# Altium PCB DL4-1BA.PcbDoc (part 3 of 5) (continued)
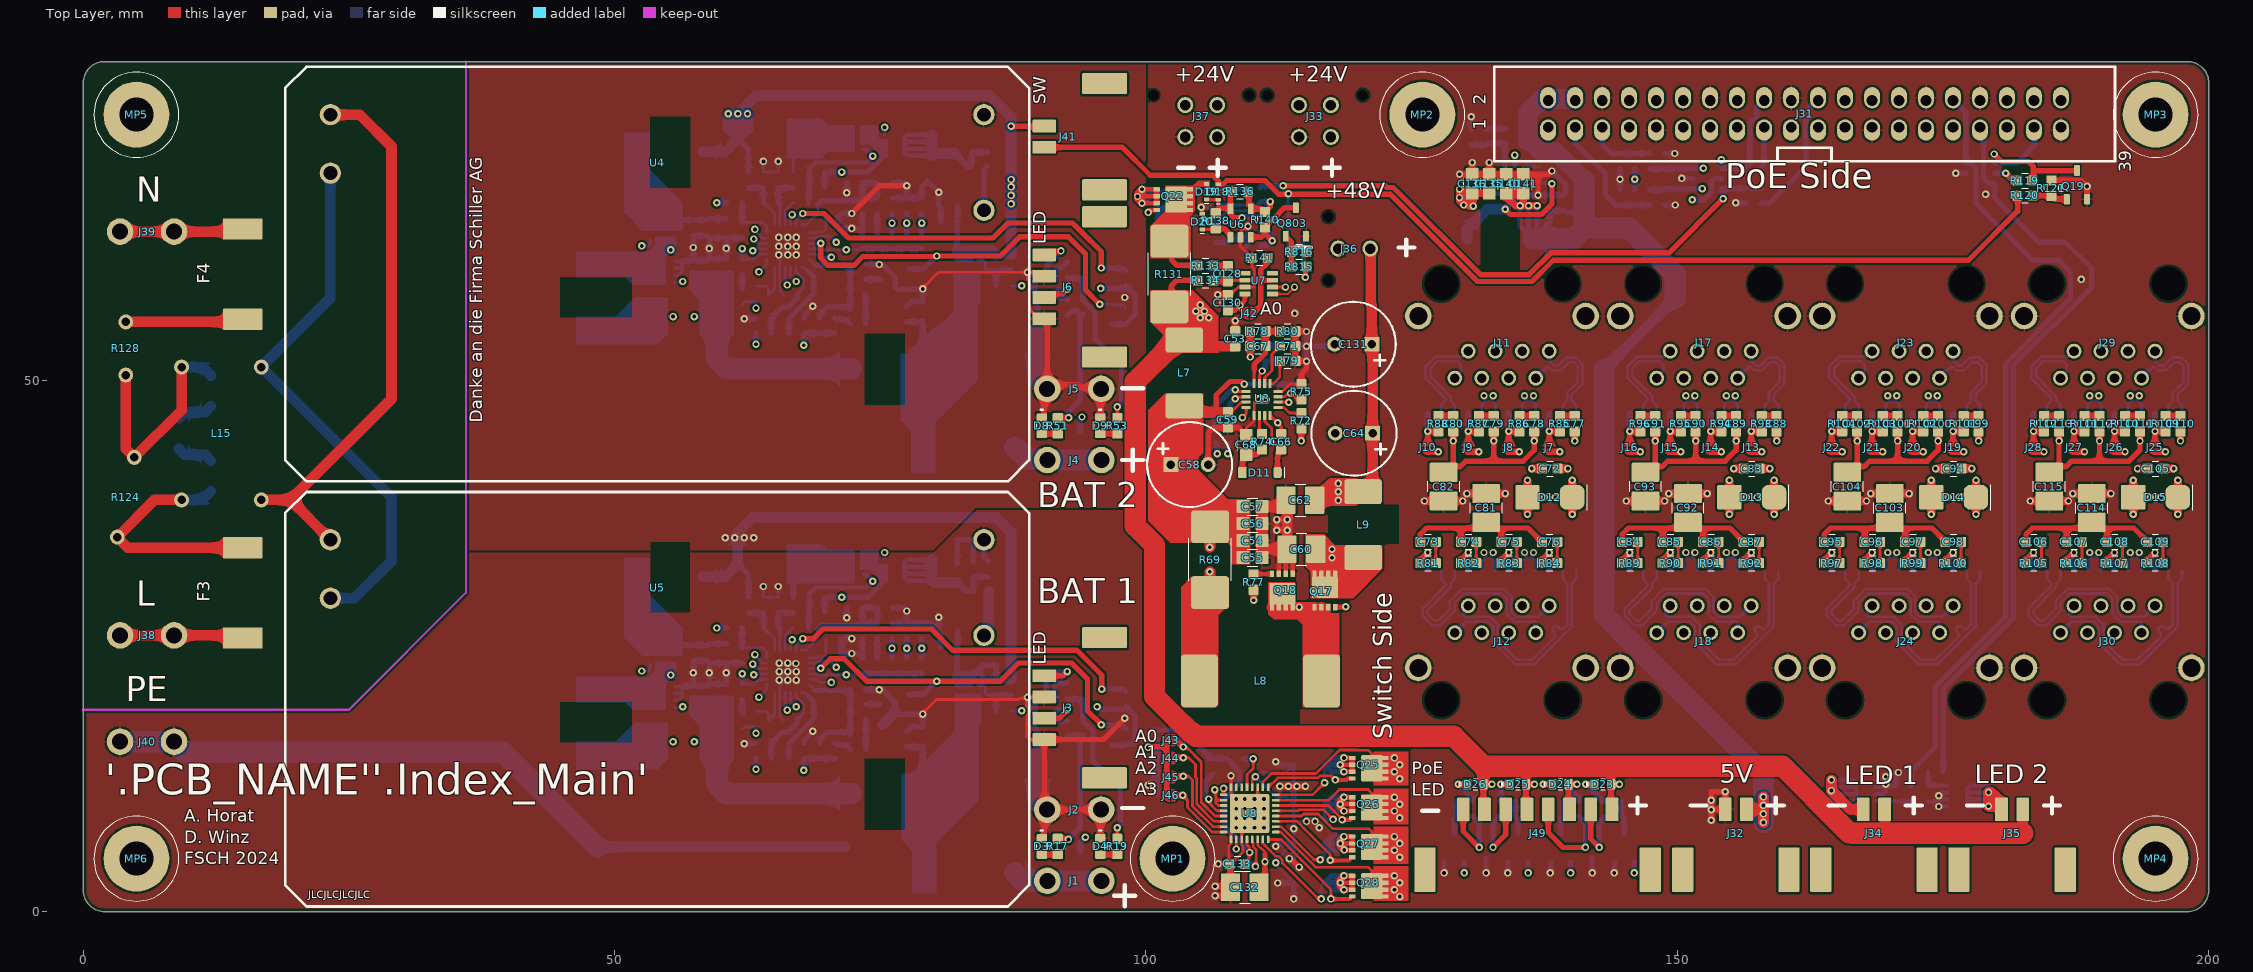
[diagram p0: Top Layer view]
## Nets (pads, with @x,y where several pads share a name; then routed paths per layer and width w, separated by ;. In a path a pad name is that pad's centre, name@x,y a point inside that pad or via, vN(x,y) a via of type N, cw(c..) or ccw(c..) an arc to the next point about the centre after c; other vN are vias at no path point) (continued)
  Mid 1 (GND) w2: J40.1@3.46,16 J40.1@8.54,16 21.9,16 33.4,4.5 85.6,4.5 J2.1@90.7,9.6 J2.1@95.78,9.6
  Mid 2 (PWR) w0.7: v1(109.3,7.9) v1(109.3,8.8) v1(109.3,9.7) v1(109.3,10.6)
  Bottom Layer w0.25: v1(63.999,30.6) C8.2@64,29.577 C10.2@65.4,29.577 v1(65.399,30.6) ; C20.1@65.924,18 65.55,18.374 U1.17@65.55,20.627 65.55,21.877 U1.EP@66.3,22.627 ; v1(105.2,66.3) 105.275,66.225 Q24.2@106.6,66.225 106.875,66.5 109.275,66.5 R142.2@109.3,66.525 ; J48.2@112.85,10.8 113.225,10.8 R148.2@113.9,10.125 v1(113.9,7.8) R149.2@113.9,6.425 ; J47.2@112.85,13.1 113.175,13.1 R146.2@113.9,13.825 113.9,11.8 113.9,11.5 113.9,11.3 ; J50.2@112.977,5.577 R149.2@113.1,5.7 ; J51.2@113,3.6 113.025,3.6 R155.2@113.9,2.725 ; R149.2@113.066,5.7 R149.2@113.1,5.7 ; R149.2@113.825,6.425 R149.2@113.1,5.7 ; 113.9,8.7 114.1,8.5 v1(115.1,8.5)
  Bottom Layer w0.3: Q7.S@55.66,19.902 56.002,19.902 56.4,20.3 56.4,20.552 ; Q7.S@55.66,20.552 56.4,20.552 ; Q7.S@55.66,21.202 56.4,21.202 ; 56.4,21.252 56.4,21.202 ; 56.4,20.552 56.4,21.202
  Bottom Layer w0.4: Q20.S@168.66,11.075 169.375,11.075 169.6,11.3 v1@169.6,11.9 ; Q20.S@168.66,11.725 169.425,11.725 v1@169.6,11.9 ; Q20.S@168.66,12.375 v1@169.6,12.375 ; C122.2@173.6,10.375 174.412,10.375 v1@174.598,10.562 ; Q21.S@175.4,9.925 174.625,9.925 v1(174.6,9.9) v1@174.6,10.575 ; Q21.S@175.4,10.575 v1@174.6,10.575 ; Q21.S@175.4,11.225 174.925,11.225 v1(174.6,10.9) v1@174.6,10.575 ; v1@169.6,11.9 v1(169.6,12) ; v1@169.6,11.9 v1(169.6,12) ; v1(169.6,12) v1@169.6,12.375 ; v1(169.6,12) 169.775,11.825 C121.2@170.6,11.825 170.6,12.9 v1(170.8,13.1) 170,13.1 v1(169.6,12.7) v1@169.6,12.375
  Bottom Layer w0.5: 56.4,21.252 C16.2@57.4,21.252 ; C5.2@58.9,23.427 58.725,23.602 C7.2@57.4,23.602 v1(57.4,22.5) C16.2@57.4,21.252 ; C11.1@62,23.402 C6.2@60.5,23.402 ; v1(62.2,15.8) 62.227,15.827 C23.2@63.25,15.827 ; C24.2@67.85,15.827 67.85,16.175 v1(68.65,16.975) ; v1(71.85,27.65) C25.2@71.85,28.6 ; v1(72.299,25.7) C22.2@71.324,25.7 C21.2@71.324,24.3 v1(72.3,24.3) 72.852,24.3 C26.2@73.3,23.852 R26.2@73.3,25.702 ; R28.2@73.624,20.9 v1(74.899,20.9) 75.199,20.9 76.399,19.7 76.399,18.8 76.622,18.577 Q8.2@77.65,18.577 78.977,18.577 v1(79,18.6) C17.2@79,17.427 77.95,17.427 C18.2@77.5,16.977 ; R32.2@76.099,27.152 R33.2@77.474,27.152 ; R27.2@76.15,28.6 77.2,28.6 v1(77.5,28.3) ; R33.2@77.499,27.177 v1(77.5,28.3) ; R33.2@77.524,27.152 R34.2@78.899,27.152 79.775,27.152 C1.2@80.5,26.427 ; v1(80.5,27.7) C1.2@80.5,26.427 ; C2.2@80.675,24.927 80.675,26.252 C1.2@80.5,26.427 ; C125.2@82.248,32.775 82.248,35.001 83.743,35.001 R130.2@83.743,32.955 ; U5.4@83.919,35 U5.4@84.75,35 84.75,33.373 C126.2@85.148,32.975 ; v1(88.848,20.175) 89.325,20.175 89.549,19.951 D5.3@89.549,19.2 89.549,17.201 89.8,16.95 D2.2@89.8,14.2 ; v1(100.2,11.9) 100.65,12.35 R152.2@101.05,12.35 ; R153.2@101.05,11 R152.2@101.05,12.35 ; R150.2@101.05,16.2 R151.2@101.05,14.5 R152.2@101.05,12.7 R152.2@101.05,12.35 ; Q23.2@106.55,62.975 107.675,62.975 C129.2@108,63.3 109.6,63.3 ; v1(106.8,4.5) R154.2@107.875,4.5 ; R139.2@109.375,62.6 109.6,62.825 109.6,63.3 ; v1(109.6,64.5) 109.6,63.3 ; v1(112.2,6.15) 112.2,6.2 112.425,6.425 113.825,6.425 R149.2@113.9,6.425 ; v1(112.2,14.1) 112.5,13.8 113.875,13.8 R146.2@113.9,13.825 ; v1(112.4,2.7) 112.425,2.725 R155.2@113.9,2.725 v1(113.9,1.2) ; 112.6,11.425 v1(112.6,11.8) v1(113.4,11.8) ; C63.2@113.175,38.725 113.3,38.6 v1(113.3,36.9) 113.275,36.875 113.3,36.85 v1(113.3,35.9) 113.275,35.875 C61.2@113.275,34.125 ; v1(113.5,5) 113.884,4.616 R149.2@113.884,6.409 ; 113.9,4.7 v1(114.4,4.2) ; C69.2@114.05,51.825 115.075,51.825 v1(115.1,51.8) v1(115.1,53.2) ; C70.2@114.05,53.225 115.075,53.225 v1(115.1,53.2) ; v1(115,11.8) v1(114.2,11.8) ; v1(115.1,54.6) v1(115.1,53.2) ; C131.2@117.75,53.4 117.55,53.2 v1(115.1,53.2) ; v1(128.05,3.65) Q32.2@128.05,4.65 ; v1(129.5,69.4) C137.2@130.9,69.4 ; R165.1@130.6,73.625 v1(130.6,74.8) ; v1(130.7,70.5) 130.73,70.47 130.73,69.57 C137.2@130.9,69.4 ; v1(132,3.65) D21.3@132,5.05 ; v1(134.05,3.65) Q31.2@134.05,4.65 ; C139.2@138,67.425 v1(136.887,67.425) 135.775,67.425 U9.1@135.65,67.55 135.65,68.35 134.775,69.225 C138.2@132.4,69.225 132.225,69.4 C137.2@130.9,69.4 ; C139.2@138,67.433 139.333,67.433 C142.2@139.5,67.6 139.5,68.4 v1(138.2,69.7) ; v1(138.05,3.65) Q30.2@138.05,4.65 ; v1(142,3.65) D22.3@142,5.05 ; v1(144.05,3.65) Q29.2@144.05,4.65 ; C118.2@144.6,67.95 v1(144.6,68.925) C119.2@144.6,69.9 ; C116.2@148.8,66.5 v1(149.8,66.5) ; C117.2@148.8,71.35 v1(149.75,71.35) ; v1(150.4,69) D16.2@151.45,69 ; v1(155.5,66.7) 155.525,66.675 C120.2@156.5,66.675 ; v1(176.2,69.5) D17.2@177.15,69.5 ; C16.2@57.4,21.252 58.725,21.252 C15.2@58.9,21.427 ; C15.2@58.9,21.427 C14.2@60.5,21.427 C6.2@60.5,23.402 ; C15.2@58.9,21.427 58.9,23.402 C6.2@60.5,23.402 ; v1(113.4,11.8) 113.887,11.312 ; v1(113.4,11.8) 113.9,11.8 v1(114.2,11.8) ; 113.887,11.312 113.887,11.487 113.9,11.5 v1(114.2,11.8) ; 113.887,11.312 113.887,10.138 R148.2@113.9,10.125 113.9,11.3 113.887,11.312
  Bottom Layer w1: 48.4,6.1 71.7,6.1 ; 75.2,17.601 76.399,18.8
  Bottom Layer w2: J40.1@3.46,16 J40.1@8.54,16 9.54,15 39.5,15 48.4,6.1 ; D2.2@89.8,14.2 89.8,10.5 J2.1@90.7,9.6
  other v1: 110.2,7.9 111.1,7.9 108.5,8.8 110.2,8.8 111.1,8.8 108.5,9.7 111.1,9.7 110.2,10.6 111.1,10.6 58.9,22.5 60.5,22.5 114,56.3 188,59.5 179,67.5
"GND_BAT_Charger Upper": C1.1 C2.1 C9.1 C27.2 C28.2 C31.2 C32.2 C33.2 C34.2 C36.2 C37.1 C40.2 C41.2 C42.2 C43.2 C44.2 C46.1 C47.2 C48.2 C49.2 C50.2 C51.2 C52.2 C123.2 C124.2 D7.2 D8.1 D9.1 D10.3 J5.1 J6.2 J6.4 L1.1 Q3.S Q15.S Q16.2 R1.2 R3.1 R5.1 R60.2 R61.2 R62.2 R66.2 R67.2 R68.2 R129.2 U2.17 U2.EP U4.4 | length 280.6
  Top Layer w0.25: v1(79,58.6) 79,58.701 80.474,60.175 v1(88.848,60.175) ; J6.4@90.43,55.8 89.93,55.8 89.079,56.651 89.079,56.821 89,56.899 89,59.4 88.848,59.552 v1(88.848,60.175) ; J6.2@90.43,59.8 90.055,60.175 v1(88.848,60.175)
  Top Layer w0.5: v1(72.299,65.7) 74.899,68.3 v1(77.5,68.3) ; D8.1@90.2,46.5 90.289,46.5 90.433,46.644 90.433,48.932 J5.1@90.701,49.2 90.701,49.6 93.531,49.6 93.781,49.35 95.631,49.35 J5.1@95.781,49.2 95.699,49.118 95.699,46.644 D9.1@95.7,46.5 ; J6.4@90.43,55.8 90.7,55.53 J5.1@90.7,49.6
  Mid 1 (GND) w0.25: v1(57.4,62.5) 60.615,62.5 62.94,64.825 63.458,64.825 63.483,64.8 64.099,64.8 v2@65.499,63.4 ; v1(62.2,55.8) 62.2,57.6 65.499,60.899 v2@65.499,61.8 ; v1(63.999,70.6) 65.299,70.6 v1@65.399,70.7 ; v1@65.499,70.6 v2@65.499,63.4 ; v2@66.299,63.4 v2@66.299,63.358 ; v1(68.65,56.975) 68.775,56.975 68.8,57 68.8,60.099 v2@67.099,61.8 ; v1(71.85,67.65) 72.299,67.201 v1(72.299,65.7) v1(72.3,64.3) ; v1(77.5,68.3) 76.3,68.3 v1(72.3,64.3) ; U4.4@84.75,75 84.75,71.95 v1(80.5,67.7) 81.6,66.6 81.6,61.301 80.274,59.975 ; v1(88.848,60.175) 88.773,60.1 88.123,60.1 87.998,59.975 80.274,59.975 ; v2@65.499,61.8 v2@65.499,62.6 ; v2@65.499,61.8 v2(66.299,61.8) ; v2@65.499,62.6 v2(66.299,62.6) ; v2@65.499,62.6 v2@65.499,63.4 ; v2@65.499,63.4 65.541,63.358 v2@66.299,63.358 ; v2(66.299,61.8) v2(66.299,62.6) ; v2(66.299,61.8) v2@67.099,61.8 ; v2(66.299,62.6) v2@67.099,62.6 ; v2(66.299,62.6) v2@66.299,63.358 ; v2@66.299,63.358 v2@67.057,63.358 ; v2@67.057,63.358 67.099,63.316 v2@67.099,62.6 ; v2@67.057,63.358 67.999,64.3 v1(72.3,64.3) ; v2@67.099,61.8 v2@67.099,62.6 ; v1(72.3,64.3) 74.899,61.701 v1(74.899,60.9) 76.7,60.9 v1(79,58.6) 79,58.701 80.274,59.975
  Mid 1 (GND) w0.5: J5.1@90.701,49.2 90.851,49.35 92.701,49.35 92.951,49.6 93.531,49.6 93.781,49.35 95.631,49.35 J5.1@95.781,49.2
  Bottom Layer w0.25: v1(63.999,70.6) C34.2@64,69.577 C36.2@65.4,69.577 v1(65.399,70.6) ; C46.1@65.924,58 65.55,58.374 65.55,61.877 U2.EP@66.3,62.627 ; Q3.S@82.225,21.287 Q3.S@82.875,21.287 Q3.S@83.525,21.287
  Bottom Layer w0.3: Q15.S@55.66,59.902 56.002,59.902 56.4,60.3 56.4,60.552 ; Q15.S@55.66,60.552 56.4,60.552 ; Q15.S@55.66,61.202 56.4,61.202 ; 56.4,61.252 56.4,61.202 ; 56.4,60.552 56.4,61.202
  Bottom Layer w0.4: Q3.S@82.225,21.287 82.225,22.175 ; Q3.S@82.875,21.287 82.875,22.175 ; Q3.S@83.525,21.287 83.525,22.151
  Bottom Layer w0.5: 56.4,61.252 C42.2@57.4,61.252 ; C31.2@58.9,63.427 58.725,63.602 C33.2@57.4,63.602 v1(57.4,62.5) C42.2@57.4,61.252 ; R1.2@61.6,32.727 62.6,31.727 R3.1@62.6,29.577 ; C37.1@62,63.402 C32.2@60.5,63.402 ; v1(62.2,55.8) 62.227,55.827 C49.2@63.25,55.827 ; C50.2@67.85,55.827 67.85,56.175 v1(68.65,56.975) ; v1(71.85,67.65) C51.2@71.85,68.6 ; v1(72.299,65.7) C48.2@71.324,65.7 71,65.376 71,64.624 C47.2@71.324,64.3 v1(72.3,64.3) 72.852,64.3 C52.2@73.3,63.852 R60.2@73.3,65.702 ; R62.2@73.624,60.9 v1(74.899,60.9) 75.199,60.9 76.399,59.7 76.399,58.8 76.622,58.577 Q16.2@77.65,58.577 78.977,58.577 v1(79,58.6) C43.2@79,57.427 77.95,57.427 C44.2@77.5,56.977 ; R66.2@76.099,67.152 R67.2@77.474,67.152 ; R61.2@76.15,68.6 77.2,68.6 v1(77.5,68.3) ; R67.2@77.499,67.177 v1(77.5,68.3) ; R67.2@77.524,67.152 R68.2@78.899,67.152 78.899,68.216 79.442,68.758 v1(80.5,67.7) C27.2@80.5,66.427 80.675,66.252 C28.2@80.675,64.927 ; 82.225,22.175 82.225,24.827 C2.1@82.125,24.927 82.3,25.102 C1.1@82.3,26.427 ; 83.579,22.175 84.092,22.688 ; 85.899,23.199 R5.1@85.899,21.825 ; 85.9,23.2 84.604,23.2 84.092,22.688 ; C9.1@87.299,21.825 R5.1@85.899,21.825 ; v1(88.848,60.175) 89.325,60.175 89.549,59.951 D10.3@89.55,58.8 ; D10.3@89.549,58.799 89.549,57.201 89.8,56.95 D7.2@89.8,54.2 ; C42.2@57.4,61.252 58.725,61.252 C41.2@58.9,61.427 ; C41.2@58.9,61.427 58.9,63.402 C32.2@60.5,63.402 ; C41.2@58.9,61.427 C40.2@60.5,61.427 C32.2@60.5,63.402 ; 84.092,22.688 84.954,21.825 R5.1@85.899,21.825
  Bottom Layer w1: L1.1@58.3,31.527 60.4,31.527 R1.2@61.6,32.727 61.6,35.7 63,37.1 85.9,37.1 87.299,35.701 C9.1@87.299,21.825 ; 82.225,22.175 82.875,22.175 83.579,22.175
  Bottom Layer w2: D7.2@89.8,54.2 89.8,50.236 90.701,49.335 J5.1@90.701,49.2
  other v1: 60.4,35.2 61.3,35.2 62.2,35.2 63.1,35.2 98,57.8 58.9,62.415 60.5,62.414
  other v2: 65.45,61.8 67.1,61.8 65.45,62.6 67.1,62.6 65.45,63.45 66.299,63.45 67.1,63.45
HDRV: R72.1 U3.13 | length 2.4
  Top Layer w0.25: U3.13@112.425,47.45 112.975,47.45 113.5,46.925 R72.1@114.625,46.925
I2C.SCL: C117.1 D16.3 R116.1 U7.5 U8.9 | length 110.9
  Top Layer w0.2: U7.5@111.9,58.125 112.926,58.125 113.325,58.125 v1(113.975,58.775)
  Top Layer w0.25: U8.9@107.3,11 v1(107.3,11.6)
  Mid 2 (PWR) w0.2: v1(107.3,11.6) 106.65,12.25 106.65,13.85 106.65,14.177 104.95,15.877 104.95,15.893 104.393,16.45 104.377,16.45 104.35,16.477 104.35,45.75 107.8,49.2 107.8,51.3 109.2,52.7 114.05,57.55 114.05,58.7 v1(113.975,58.775) 113.975,60.644 117.794,64.464 125.736,64.464 125.8,64.4 126.407,64.4 130.707,60.1 136.679,60.1 140.329,63.75 149.406,63.75 149.706,63.75 152.7,66.744 152.996,67.04 152.996,67.847 152.996,69.404 v1(152.45,69.95)
  Bottom Layer w0.5: R116.1@147.4,69.9 C117.1@148.8,69.9 148.95,69.75 149.15,69.95 D16.3@151.45,69.95 v1(152.45,69.95)
I2C.SDA: C116.1 D16.1@151.45,68.05 R115.1 U7.6 U8.10 U8.11 | length 109.5
  Top Layer w0.2: U7.6@111.9,58.775 v1(113.125,58.775)
  Top Layer w0.25: v1(106.459,11.48) 106.474,11.464 106.562,11.464 106.562,10.238 106.8,10 U8.11@107.3,10 ; 106.562,10.5 U8.10@107.3,10.5
  Mid 2 (PWR) w0.2: v1(106.459,11.48) 106.3,11.638 106.3,14.032 104.6,15.732 104.6,15.749 104.249,16.1 104.232,16.1 104,16.332 104,45.95 107.45,49.4 107.45,51.445 113.2,57.195 113.2,58.7 v1(113.125,58.775) 113.125,60.289 116.65,63.814 117.649,64.814 125.386,64.814 125.881,64.814 125.945,64.75 126.552,64.75 130.852,60.45 136.534,60.45 138.134,62.05 140.184,64.1 149.561,64.1 152.35,66.889 152.35,67.486 v1(152.35,68.05)
  Bottom Layer w0.5: R115.1@147.4,67.95 C116.1@148.8,67.95 148.875,68.025 151.425,68.025 D16.1@151.45,68.05 v1(152.35,68.05)
"IN_TD0_Ethernet Channel 1_N": J12.2 L10.14 | length 21
  Bottom Layer w0.25: J12.2@130.325,28.79 129.9,28.365 129.9,27.9 130.05,27.75 132.386,27.75 133.1,27.036 133.1,25.5 134.888,23.712 136.312,23.712 137.7,25.1 138.408,25.808 ccw(c138.178,26.038) 138.408,26.268 138.351,26.325 cw(c138.58,26.555) 138.351,26.785 cw(c138.58,26.555) 138.81,26.785 138.868,26.727 ccw(c139.098,26.957) 139.327,26.727 139.625,27.025 139.625,27.296 139.625,30.9 139.215,31.31 L10.14@139.215,32.125
"IN_TD0_Ethernet Channel 1_P": J12.1@129.055,26.25 L10.13 | length 21
  Bottom Layer w0.25: J12.1@129.055,26.25 130.105,27.3 132.2,27.3 132.65,26.85 132.65,25.314 134.701,23.262 136.499,23.262 140.075,26.839 140.075,30.9 140.485,31.31 L10.13@140.485,32.125
"IN_TD0_Ethernet Channel 2_N": J18.2 L11.14 | length 22.4
  Bottom Layer w0.25: J18.2@149.325,28.79 148.9,28.365 148.9,27.9 149.05,27.75 151.386,27.75 152.1,27.036 152.1,25.5 153.888,23.712 ; L11.14@158.215,32.125 158.215,31.31 158.625,30.9 158.625,27.296 158.625,27.025 158.327,26.727 cw(c158.098,26.957) 157.868,26.727 157.81,26.785 ccw(c157.58,26.555) 157.351,26.785 ccw(c157.58,26.555) 157.351,26.325 157.408,26.268 cw(c157.178,26.038) 157.408,25.808 156.7,25.1 155.312,23.712 ; 153.888,23.712 155.312,23.712 ; 153.888,23.712 155.312,23.712
"IN_TD0_Ethernet Channel 2_P": J18.1@148.055,26.25 L11.13 | length 21
  Bottom Layer w0.25: J18.1@148.055,26.25 149.105,27.3 151.2,27.3 151.65,26.85 151.65,25.314 153.701,23.262 155.499,23.262 159.075,26.839 159.075,30.9 159.485,31.31 L11.13@159.485,32.125
"IN_TD0_Ethernet Channel 3_N": J24.2 L12.14 | length 22.4
  Bottom Layer w0.25: J24.2@168.325,28.79 167.9,28.365 167.9,27.9 168.05,27.75 170.386,27.75 171.1,27.036 171.1,25.5 172.888,23.712 ; L12.14@177.215,32.125 177.215,31.31 177.625,30.9 177.625,27.296 177.625,27.025 177.327,26.727 cw(c177.098,26.957) 176.868,26.727 176.81,26.785 ccw(c176.58,26.555) 176.351,26.785 ccw(c176.58,26.555) 176.351,26.325 176.408,26.268 cw(c176.178,26.038) 176.408,25.808 175.7,25.1 174.312,23.712 ; 172.888,23.712 174.312,23.712 ; 172.888,23.712 174.312,23.712
"IN_TD0_Ethernet Channel 3_P": J24.1@167.055,26.25 L12.13 | length 21
  Bottom Layer w0.25: J24.1@167.055,26.25 168.105,27.3 170.2,27.3 170.65,26.85 170.65,25.314 172.701,23.262 174.499,23.262 178.075,26.839 178.075,30.9 178.485,31.31 L12.13@178.485,32.125
"IN_TD0_Ethernet Channel 4_N": J30.2 L13.14 | length 22.4
  Bottom Layer w0.25: J30.2@187.325,28.79 186.9,28.365 186.9,27.9 187.05,27.75 189.386,27.75 190.1,27.036 190.1,25.5 191.888,23.712 ; L13.14@196.215,32.125 196.215,31.31 196.625,30.9 196.625,27.296 196.625,27.025 196.327,26.727 cw(c196.098,26.957) 195.868,26.727 195.81,26.785 ccw(c195.58,26.555) 195.351,26.785 ccw(c195.58,26.555) 195.351,26.325 195.408,26.268 cw(c195.178,26.038) 195.408,25.808 194.7,25.1 193.312,23.712 ; 191.888,23.712 193.312,23.712 ; 191.888,23.712 193.312,23.712
"IN_TD0_Ethernet Channel 4_P": J30.1@186.055,26.25 L13.13 | length 21
  Bottom Layer w0.25: J30.1@186.055,26.25 187.105,27.3 189.2,27.3 189.65,26.85 189.65,25.314 191.701,23.262 193.499,23.262 197.075,26.839 197.075,30.9 197.485,31.31 L13.13@197.485,32.125
"IN_TD1_Ethernet Channel 1_N": J12.6 L10.17 | length 19.6
  Mid 1 (GND) w0.15: J12.6@135.405,28.79 135.405,26.005 135.1,25.7 135.1,25.3 135.3,25.1 137.2,25.1 138.009,25.909 138.425,26.325 ccw(c138.301,26.449) 138.425,26.572 138.219,26.778 cw(c138.343,26.902) 138.219,27.026 cw(c138.343,26.902) 138.466,27.026 138.672,26.82 ccw(c138.796,26.944) 138.92,26.82 139.1,27 139.1,27.117 139.1,29.205 135.865,32.44 135.865,33.55 v1(135.615,33.8)
  Bottom Layer w0.25: L10.17@135.405,32.125 135.405,32.99 135.815,33.4 135.815,33.6 v1(135.615,33.8)
"IN_TD1_Ethernet Channel 1_P": J12.3 L10.16 | length 19.7
  Mid 1 (GND) w0.15: J12.3@131.595,26.25 132.65,26.25 133.7,25.2 134.705,25.2 135.155,24.75 137.345,24.75 139.45,26.855 139.45,29.35 136.215,32.585 136.215,33.55 v1(136.465,33.8)
  Bottom Layer w0.25: v1(136.465,33.8) 136.265,33.6 136.265,33.4 136.675,32.99 L10.16@136.675,32.125
"IN_TD1_Ethernet Channel 2_N": J18.6 L11.17 | length 19.9
  Mid 1 (GND) w0.15: J18.6@154.405,28.79 154.405,26.005 154.1,25.7 154.1,25.3 ; v1(154.615,33.8) 154.865,33.55 154.865,32.44 158.1,29.205 158.1,27.117 158.1,27 157.92,26.82 cw(c157.796,26.944) 157.672,26.82 157.466,27.026 ccw(c157.343,26.902) 157.219,27.026 ccw(c157.343,26.902) 157.219,26.778 157.425,26.572 cw(c157.301,26.449) 157.425,26.325 157.009,25.909 156.2,25.1 154.3,25.1 ; 154.1,25.3 154.3,25.1 ; 154.1,25.3 154.3,25.1
  Bottom Layer w0.25: L11.17@154.405,32.125 154.405,32.99 154.815,33.4 154.815,33.6 v1(154.615,33.8)
"IN_TD1_Ethernet Channel 2_P": J18.3 L11.16 | length 19.7
  Mid 1 (GND) w0.15: J18.3@150.595,26.25 151.65,26.25 152.7,25.2 153.705,25.2 154.155,24.75 156.345,24.75 158.45,26.855 158.45,29.35 155.215,32.585 155.215,33.55 v1(155.465,33.8)
  Bottom Layer w0.25: v1(155.465,33.8) 155.265,33.6 155.265,33.4 155.675,32.99 L11.16@155.675,32.125
"IN_TD1_Ethernet Channel 3_N": J24.6 L12.17 | length 19.9
  Mid 1 (GND) w0.15: J24.6@173.405,28.79 173.405,26.005 173.1,25.7 173.1,25.3 ; v1(173.615,33.8) 173.865,33.55 173.865,32.44 177.1,29.205 177.1,27.117 177.1,27 176.92,26.82 cw(c176.796,26.944) 176.672,26.82 176.466,27.026 ccw(c176.343,26.902) 176.219,27.026 ccw(c176.343,26.902) 176.219,26.778 176.425,26.572 cw(c176.301,26.449) 176.425,26.325 176.009,25.909 175.2,25.1 173.3,25.1 ; 173.1,25.3 173.3,25.1 ; 173.1,25.3 173.3,25.1
  Bottom Layer w0.25: L12.17@173.405,32.125 173.405,32.99 173.815,33.4 173.815,33.6 v1(173.615,33.8)
"IN_TD1_Ethernet Channel 3_P": J24.3 L12.16 | length 19.7
  Mid 1 (GND) w0.15: J24.3@169.595,26.25 170.65,26.25 171.7,25.2 172.705,25.2 173.155,24.75 175.345,24.75 177.45,26.855 177.45,29.35 174.215,32.585 174.215,33.55 v1(174.465,33.8)
  Bottom Layer w0.25: v1(174.465,33.8) 174.265,33.6 174.265,33.4 174.675,32.99 L12.16@174.675,32.125
"IN_TD1_Ethernet Channel 4_N": J30.6 L13.17 | length 19.9
  Mid 1 (GND) w0.15: J30.6@192.405,28.79 192.405,26.005 192.1,25.7 192.1,25.3 ; v1(192.615,33.8) 192.865,33.55 192.865,32.44 196.1,29.205 196.1,27.117 196.1,27 195.92,26.82 cw(c195.796,26.944) 195.672,26.82 195.466,27.026 ccw(c195.343,26.902) 195.219,27.026 ccw(c195.343,26.902) 195.219,26.778 195.425,26.572 cw(c195.301,26.449) 195.425,26.325 195.009,25.909 194.2,25.1 192.3,25.1 ; 192.1,25.3 192.3,25.1 ; 192.1,25.3 192.3,25.1
  Bottom Layer w0.25: L13.17@192.405,32.125 192.405,32.99 192.815,33.4 192.815,33.6 v1(192.615,33.8)
"IN_TD1_Ethernet Channel 4_P": J30.3 L13.16 | length 19.7
  Mid 1 (GND) w0.15: J30.3@188.595,26.25 189.65,26.25 190.7,25.2 191.705,25.2 192.155,24.75 194.345,24.75 196.45,26.855 196.45,29.35 193.215,32.585 193.215,33.55 v1(193.465,33.8)
  Bottom Layer w0.25: v1(193.465,33.8) 193.265,33.6 193.265,33.4 193.675,32.99 L13.16@193.675,32.125
"IN_TD2_Ethernet Channel 1_N": J12.5 L10.20 | length 19.6
  Mid 1 (GND) w0.15: v1(131.805,33.8) 132.055,33.55 132.055,31.955 131.7,31.6 129,31.6 128.55,31.15 128.55,31.124 128.55,30.252 cw(c128.275,30.252) 128.275,29.977 127.607,29.977 ccw(c127.607,29.352) 126.982,29.352 ccw(c127.607,29.352) 127.607,28.727 128.275,28.727 cw(c128.275,28.452) 128.55,28.452 128.55,28.202 128.55,27.955 129.155,27.35 133.035,27.35 J12.5@134.135,26.25
  Bottom Layer w0.25: L10.20@131.595,32.125 131.595,32.99 132.005,33.4 132.005,33.6 v1(131.805,33.8)
"IN_TD2_Ethernet Channel 1_P": J12.4 L10.19 | length 19.5
  Mid 1 (GND) w0.15: v1(132.655,33.8) 132.405,33.55 132.405,31.81 131.845,31.25 131.5,31.25 130.925,31.25 ccw(c130.925,31.075) 130.75,31.075 130.75,30.631 cw(c130.575,30.631) 130.575,30.456 cw(c130.575,30.631) 130.4,30.631 130.4,31.075 ccw(c130.225,31.075) 130.225,31.25 129.8,31.25 129.145,31.25 129.019,31.124 128.9,31.005 128.9,30.252 cw(c128.275,30.252) 128.275,29.627 127.607,29.627 ccw(c127.607,29.352) 127.332,29.352 ccw(c127.607,29.352) 127.607,29.077 128.275,29.077 cw(c128.275,28.452) 128.9,28.452 128.9,28.202 128.9,28.1 129.3,27.7 132.7,27.7 132.865,27.865 J12.4@132.865,28.79
  Bottom Layer w0.25: v1(132.655,33.8) 132.455,33.6 132.455,33.4 132.865,32.99 L10.19@132.865,32.125
"IN_TD2_Ethernet Channel 2_N": J18.5 L11.20 | length 20.2
  Mid 1 (GND) w0.15: v1(150.805,33.8) 151.055,33.55 151.055,31.955 150.7,31.6 148,31.6 147.55,31.15 147.55,31.124 147.55,30.252 cw(c147.275,30.252) 147.275,29.977 146.607,29.977 ccw(c146.607,29.352) 145.982,29.352 ccw(c146.607,29.352) 146.607,28.727 ; J18.5@153.135,26.25 152.035,27.35 148.155,27.35 147.55,27.955 147.55,28.202 147.55,28.452 ccw(c147.275,28.452) 147.275,28.727 ; 146.607,28.727 147.275,28.727 ; 146.607,28.727 147.275,28.727
  Bottom Layer w0.25: L11.20@150.595,32.125 150.595,32.99 151.005,33.4 151.005,33.6 v1(150.805,33.8)
"IN_TD2_Ethernet Channel 2_P": J18.4 L11.19 | length 19.5
  Mid 1 (GND) w0.15: v1(151.655,33.8) 151.405,33.55 151.405,31.81 150.845,31.25 150.5,31.25 149.925,31.25 ccw(c149.925,31.075) 149.75,31.075 149.75,30.631 cw(c149.575,30.631) 149.575,30.456 cw(c149.575,30.631) 149.4,30.631 149.4,31.075 ccw(c149.225,31.075) 149.225,31.25 148.8,31.25 148.145,31.25 148.019,31.124 147.9,31.005 147.9,30.252 cw(c147.275,30.252) 147.275,29.627 146.607,29.627 ccw(c146.607,29.352) 146.332,29.352 ccw(c146.607,29.352) 146.607,29.077 147.275,29.077 cw(c147.275,28.452) 147.9,28.452 147.9,28.202 147.9,28.1 148.3,27.7 151.7,27.7 151.865,27.865 J18.4@151.865,28.79
  Bottom Layer w0.25: v1(151.655,33.8) 151.455,33.6 151.455,33.4 151.865,32.99 L11.19@151.865,32.125
"IN_TD2_Ethernet Channel 3_N": J24.5 L12.20 | length 20.2
  Mid 1 (GND) w0.15: v1(169.805,33.8) 170.055,33.55 170.055,31.955 169.7,31.6 167,31.6 166.55,31.15 166.55,31.124 166.55,30.252 cw(c166.275,30.252) 166.275,29.977 165.607,29.977 ccw(c165.607,29.352) 164.982,29.352 ccw(c165.607,29.352) 165.607,28.727 ; J24.5@172.135,26.25 171.035,27.35 167.155,27.35 166.55,27.955 166.55,28.202 166.55,28.452 ccw(c166.275,28.452) 166.275,28.727 ; 165.607,28.727 166.275,28.727 ; 165.607,28.727 166.275,28.727
  Bottom Layer w0.25: L12.20@169.595,32.125 169.595,32.99 170.005,33.4 170.005,33.6 v1(169.805,33.8)
"IN_TD2_Ethernet Channel 3_P": J24.4 L12.19 | length 19.5
  Mid 1 (GND) w0.15: v1(170.655,33.8) 170.405,33.55 170.405,31.81 169.845,31.25 169.5,31.25 168.925,31.25 ccw(c168.925,31.075) 168.75,31.075 168.75,30.631 cw(c168.575,30.631) 168.575,30.456 cw(c168.575,30.631) 168.4,30.631 168.4,31.075 ccw(c168.225,31.075) 168.225,31.25 167.8,31.25 167.145,31.25 167.019,31.124 166.9,31.005 166.9,30.252 cw(c166.275,30.252) 166.275,29.627 165.607,29.627 ccw(c165.607,29.352) 165.332,29.352 ccw(c165.607,29.352) 165.607,29.077 166.275,29.077 cw(c166.275,28.452) 166.9,28.452 166.9,28.202 166.9,28.1 167.3,27.7 170.7,27.7 170.865,27.865 J24.4@170.865,28.79
  Bottom Layer w0.25: v1(170.655,33.8) 170.455,33.6 170.455,33.4 170.865,32.99 L12.19@170.865,32.125
"IN_TD2_Ethernet Channel 4_N": J30.5 L13.20 | length 20.2
  Mid 1 (GND) w0.15: v1(188.805,33.8) 189.055,33.55 189.055,31.955 188.7,31.6 186,31.6 185.55,31.15 185.55,31.124 185.55,30.252 cw(c185.275,30.252) 185.275,29.977 184.607,29.977 ccw(c184.607,29.352) 183.982,29.352 ccw(c184.607,29.352) 184.607,28.727 ; J30.5@191.135,26.25 190.035,27.35 186.155,27.35 185.55,27.955 185.55,28.202 185.55,28.452 ccw(c185.275,28.452) 185.275,28.727 ; 184.607,28.727 185.275,28.727 ; 184.607,28.727 185.275,28.727
  Bottom Layer w0.25: L13.20@188.595,32.125 188.595,32.99 189.005,33.4 189.005,33.6 v1(188.805,33.8)
"IN_TD2_Ethernet Channel 4_P": J30.4 L13.19 | length 19.5
  Mid 1 (GND) w0.15: v1(189.655,33.8) 189.405,33.55 189.405,31.81 188.845,31.25 188.5,31.25 187.925,31.25 ccw(c187.925,31.075) 187.75,31.075 187.75,30.631 cw(c187.575,30.631) 187.575,30.456 cw(c187.575,30.631) 187.4,30.631 187.4,31.075 ccw(c187.225,31.075) 187.225,31.25 186.8,31.25 186.145,31.25 186.019,31.124 185.9,31.005 185.9,30.252 cw(c185.275,30.252) 185.275,29.627 184.607,29.627 ccw(c184.607,29.352) 184.332,29.352 ccw(c184.607,29.352) 184.607,29.077 185.275,29.077 cw(c185.275,28.452) 185.9,28.452 185.9,28.202 185.9,28.1 186.3,27.7 189.7,27.7 189.865,27.865 J30.4@189.865,28.79
  Bottom Layer w0.25: v1(189.655,33.8) 189.455,33.6 189.455,33.4 189.865,32.99 L13.19@189.865,32.125
"IN_TD3_Ethernet Channel 1_N": J12.8 L10.22 | length 20.9
  Bottom Layer w0.25: L10.22@129.055,32.125 129.055,31.31 128.645,30.9 128.645,30.509 126.5,28.364 126.5,28 127.1,27.4 127.5,27.4 128.6,28.5 128.6,29.236 129.764,30.4 133.636,30.4 134.4,29.636 134.4,28.2 134.85,27.75 136.905,27.75 J12.8@137.945,28.79
"IN_TD3_Ethernet Channel 1_P": J12.7 L10.23 | length 21
  Bottom Layer w0.25: L10.23@127.785,32.125 127.785,31.31 128.195,30.9 128.195,30.695 126.05,28.55 126.05,27.814 126.914,26.95 127.686,26.95 129.05,28.314 129.05,29.05 129.95,29.95 133.45,29.95 133.95,29.45 133.95,28.014 134.663,27.3 136.572,27.3 136.675,27.197 J12.7@136.675,26.25